# Altium PCB PIXHACK_V3D.PcbDoc (part 2 of 3)
Units mm, origin at the board's own origin, x right, y up, seen from the top; angles counter-clockwise.
Board outline 51.45 x 41 mm, 6 copper layers (Top Layer, GND, POWER1, Signal1, POWER, Bottom Layer), stack 1.296 mm thick; 165 components, 213 nets, 875 pads, 250 vias.
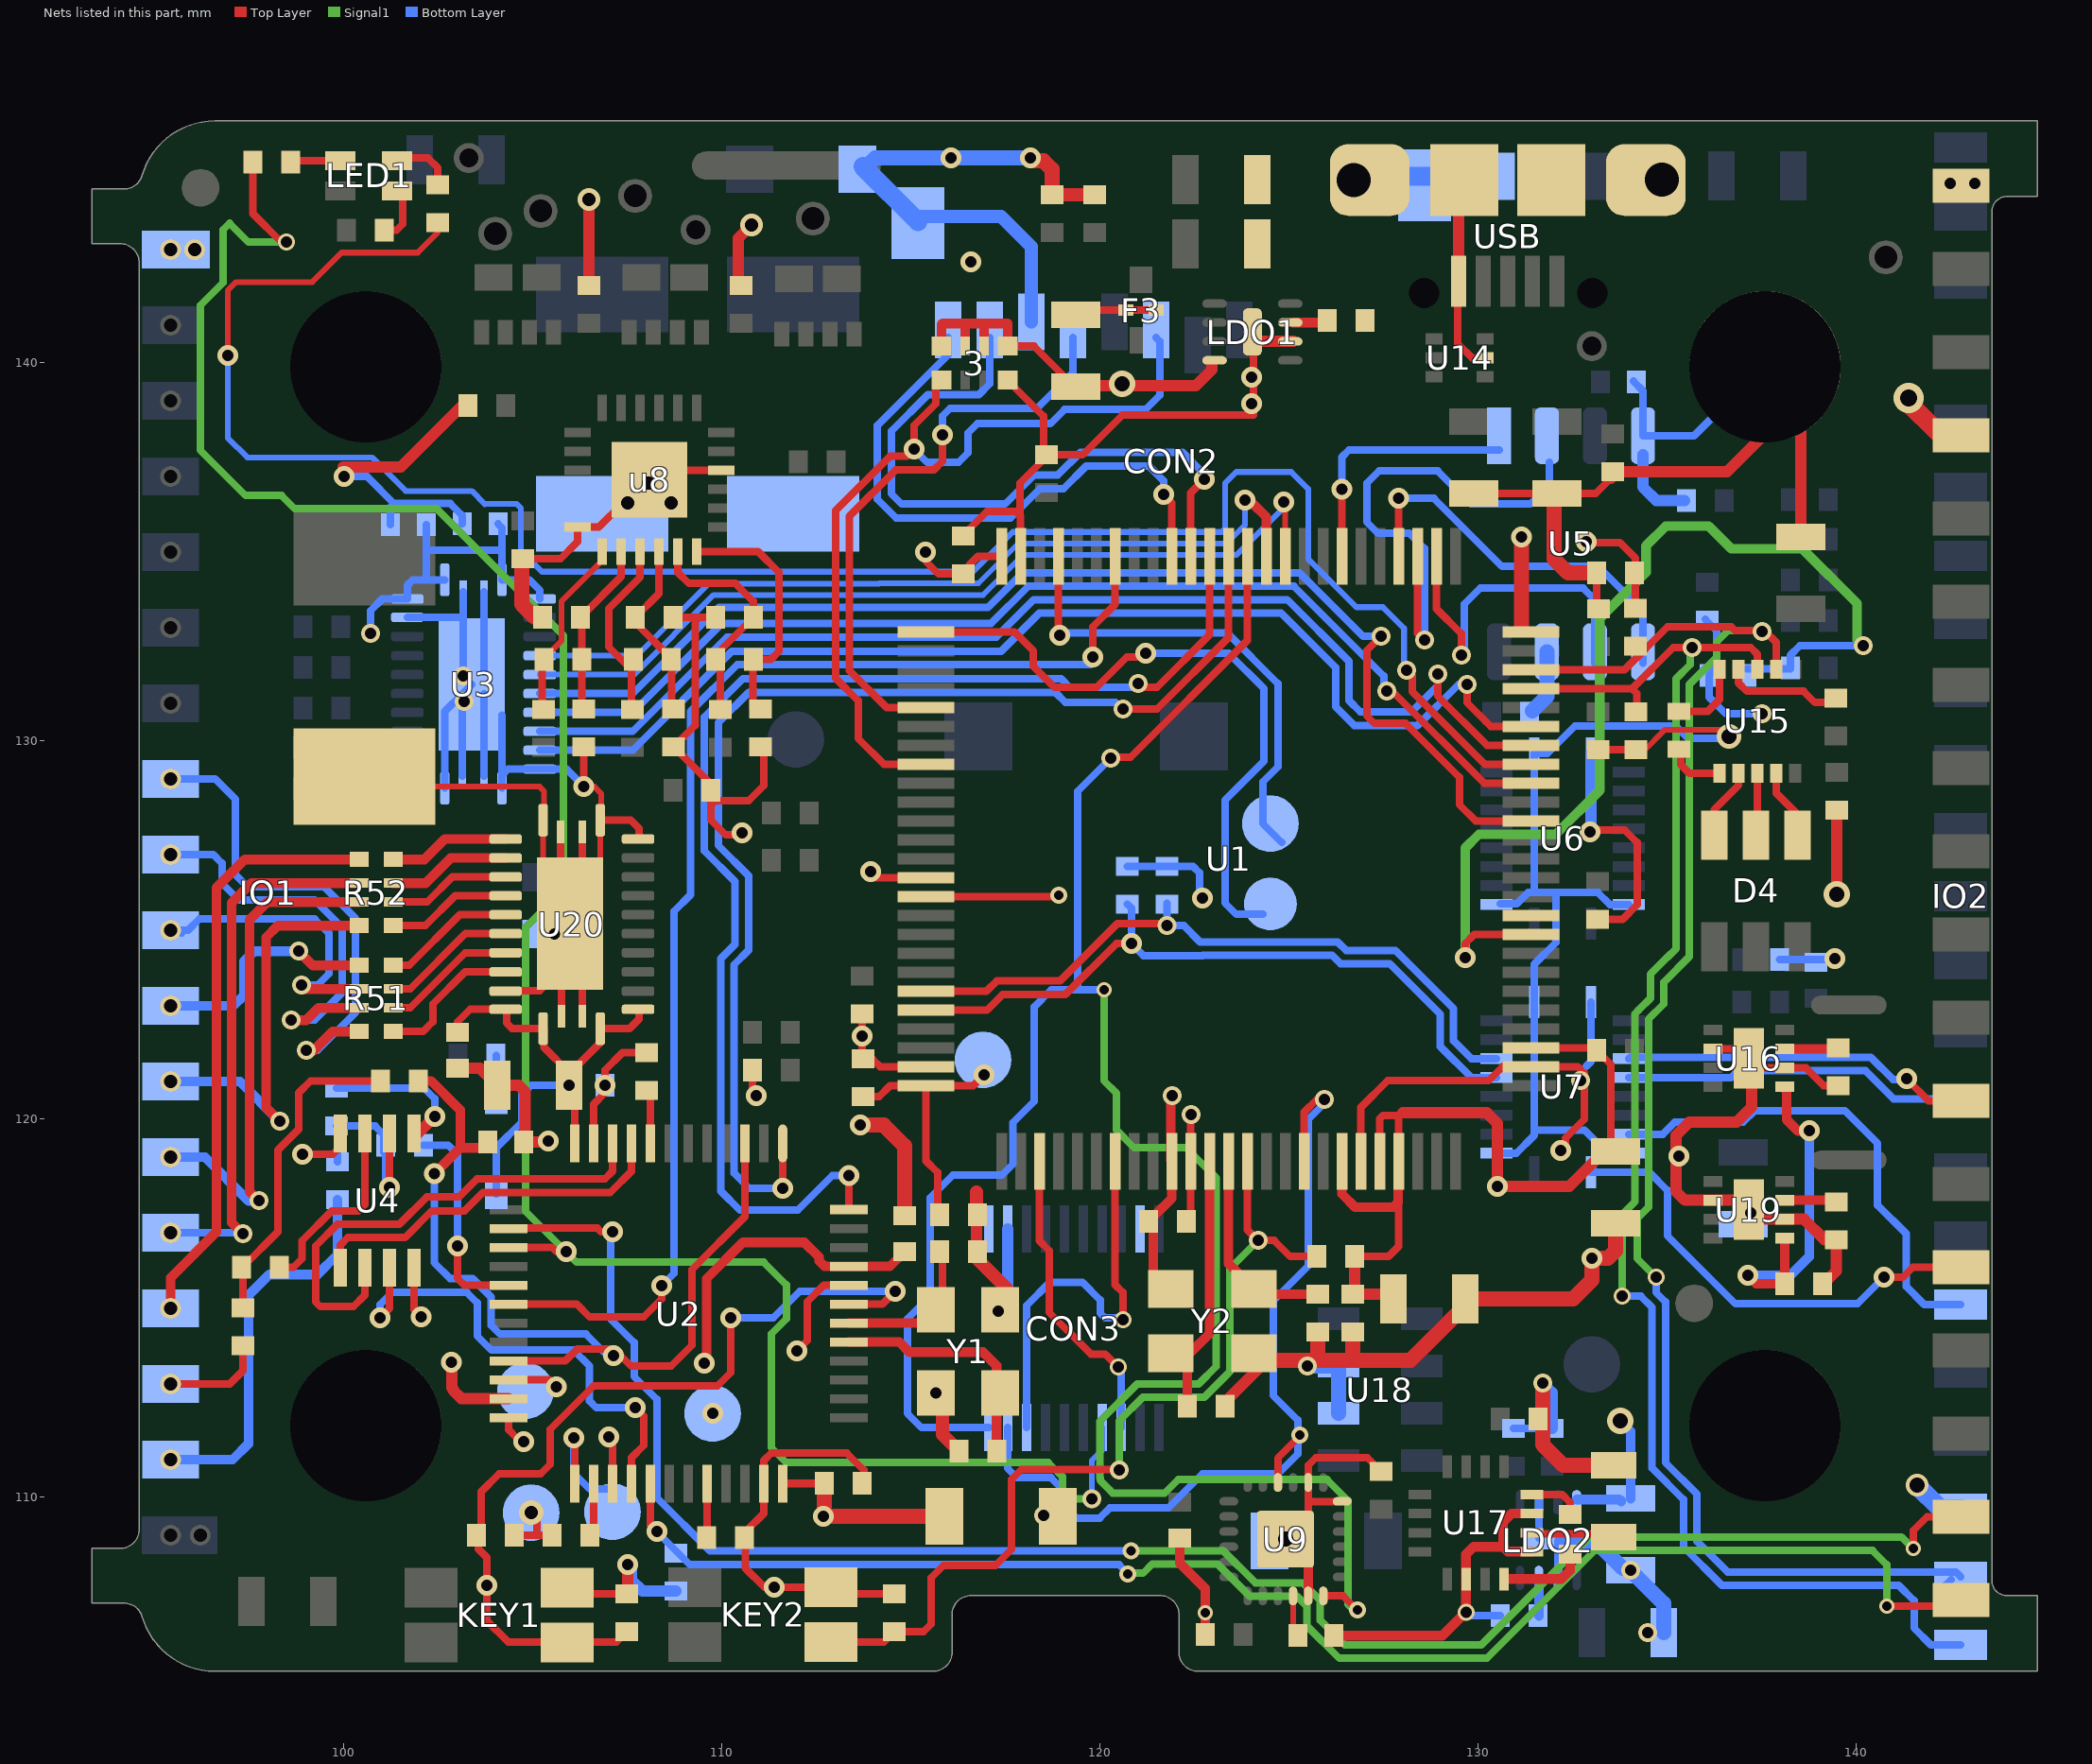
[diagram p6: the nets of this part, all layers, seen from the top]

## Via types
v1: diameter 0.55, hole 0.3, Top Layer to Bottom Layer, 129 vias
v2: diameter 0.5, hole 0.3, Top Layer to Bottom Layer, 50 vias
v3: diameter 0.5, hole 0.3, Top Layer to Bottom Layer, tented both sides, 14 vias
v4: diameter 0.45, hole 0.25, Top Layer to Bottom Layer, tented both sides, 12 vias
v5: diameter 0.45, hole 0.3, Top Layer to Bottom Layer, 9 vias
v6: diameter 0.4, hole 0.25, Top Layer to Bottom Layer, tented both sides, 7 vias
v7: diameter 0.6, hole 0.4, Top Layer to Bottom Layer, 5 vias
v8: diameter 0.6, hole 0.35, Top Layer to Bottom Layer, 5 vias
v9: diameter 0.45, hole 0.3, Top Layer to Bottom Layer, tented both sides, 2 vias
v10: diameter 0.7, hole 0.4, Top Layer to Bottom Layer, 2 vias
v11: diameter 1, hole 0.6, Top Layer to Bottom Layer, 2 vias
v12: diameter 0.5, hole 0.25, Top Layer to Bottom Layer, tented both sides, 2 vias
v13: diameter 0.45, hole 0.25, Top Layer to Bottom Layer, 2 vias
v14: diameter 0.7, hole 0.4, Top Layer to Bottom Layer, tented both sides, 1 vias
v15: diameter 0.6, hole 0.4, Top Layer to Bottom Layer, tented both sides, 1 vias
v16: diameter 0.8, hole 0.5, Top Layer to Bottom Layer, 1 vias
v17: diameter 0.65, hole 0.4, Top Layer to Bottom Layer, 1 vias
v18: diameter 0.8, hole 0.45, Top Layer to Bottom Layer, 1 vias
v19: diameter 0.8, hole 0.4, Top Layer to Bottom Layer, 1 vias
v20: diameter 0.7, hole 0.45, Top Layer to Bottom Layer, 1 vias
v21: diameter 0.65, hole 0.35, Top Layer to Bottom Layer, 1 vias
v22: diameter 0.8, hole 0.45, Top Layer to Bottom Layer, tented both sides, 1 vias

## Nets (pads, with @x,y where several pads share a name; then routed paths per layer and width w, separated by ;. In a path a pad name is that pad's centre, name@x,y a point inside that pad or via, vN(x,y) a via of type N, cw(c..) or ccw(c..) an arc to the next point about the centre after c; other vN are vias at no path point) (continued)
FMU_AMBER_LED: R47.2 U1.43 | length 53.9
  Top Layer w0.154: v1(96.925,140.175) 96.925,141.894 97.15,142.119 99.16,142.119 99.941,142.9 101.95,142.9 102.479,143.429 R47.2@102.479,143.694
  Top Layer w0.2: R47.2@102.425,143.694 R47.2@102.425,143.7 ; v2(128.1,131.85) 128.25,131.7 128.25,131.291 130.174,129.367 U1.43@131.394,129.367
  Bottom Layer w0.154: v1(96.925,140.175) 96.925,138 97.444,137.481 100.744,137.481 101.631,136.594 103.379,136.594 103.723,136.25 103.729,136.256 104.563,136.256 104.675,136.144 104.675,135.025 105.24,134.46 116.635,134.46 117.685,135.51 123.21,135.51 123.3,135.6 123.3,136.8 123.6,137.1 125.05,137.1 125.5,136.65 125.5,134.8 126.775,133.525 127.475,133.525 128.035,132.965 v2@128.035,131.915
  Bottom Layer w0.2: v2@128.035,131.915 v2(128.1,131.85)
FMU_CH1: U1.45 U3.10 | length 30.8
  Top Layer w0.2: v2(129.7,131.475) 129.7,131 130.333,130.367 U1.45@131.394,130.367
  Bottom Layer w0.2: U3.10@105.179,129.736 107.636,129.736 110.253,132.354 117.376,132.354 118.389,133.367 124.784,133.367 126.225,131.926 126.225,130.893 126.723,130.395 128.395,130.395 129.475,131.475 v2(129.7,131.475) v2@129.66,131.515
FMU_CH2: U1.44 U3.9 | length 31.2
  Top Layer w0.2: v2(128.925,131.75) 128.925,131.175 130.233,129.867 U1.44@131.394,129.867
  Bottom Layer w0.2: U3.9@105.179,130.236 107.635,130.236 110.135,132.736 117.257,132.736 118.242,133.721 124.947,133.721 126.579,132.089 126.579,131.055 126.874,130.76 128.244,130.76 128.925,131.441 v2(128.925,131.75)
FMU_CH3: U1.42 U3.8 | length 30
  Top Layer w0.2: v2(127.575,131.3) 127.725,131.3 130.158,128.867 U1.42@131.394,128.867
  Bottom Layer w0.2: U3.8@105.179,130.736 107.634,130.736 109.988,133.09 117.111,133.09 118.096,134.075 125.125,134.075 127.5,131.7 127.5,131.3 v2(127.575,131.3)
FMU_CH4: U1.40 U3.7 | length 32.4
  Top Layer w0.2: v2(127.425,132.75) 127.05,132.375 127.05,130.65 127.25,130.45 128.074,130.45 129.5,129.025 129.5,128.3 129.933,127.867 U1.40@131.394,127.867
  Bottom Layer w0.2: U3.7@105.179,131.236 107.634,131.236 109.912,133.515 117.035,133.515 117.949,134.429 125.272,134.429 126.951,132.75 v2(127.425,132.75)
FMU_CH5: U1.60 U3.6 | length 23
  Top Layer w0.15: v1(124.85,136.3) 124.894,136.256 U1.60@124.894,134.867
  Bottom Layer w0.15: U3.6@105.179,131.736 107.668,131.736 109.776,133.844 116.899,133.844 116.905,133.85 117.955,134.9 123.6,134.9 v1@124.9,136.2
FMU_CH6: U1.61 U3.5 | length 22.5
  Top Layer w0.254: v1@123.8,136.3 124,136.3 124.394,135.906 U1.61@124.394,134.867
  Bottom Layer w0.15: U3.5@105.179,132.24 107.742,132.24 109.65,134.148 114.15,134.148 ; 114.15,134.154 116.779,134.154 117.829,135.204 123.337,135.204 123.825,135.692 v1(123.825,136.35)
FMU_RESET: C28.2 KEY2.A4 R34.1 U1.14 | length 23.8
  Top Layer w0.2: KEY2.A4@112.885,106.16 114.285,106.16 C28.2@114.55,106.425 115.325,106.425 115.525,106.625 115.525,107.85 115.85,108.175 117.225,108.175 117.65,108.6 117.65,110.45 117.921,110.721 120.479,110.721 v2(120.5,110.7) ; U1.14@123.894,118.867 123.894,117.056 v2(124.175,116.775) 124.6,116.775 125.025,116.35 R34.1@125.729,116.35
  Signal1 w0.2: v2@120.5,110.667 120.5,112 121.129,112.629 122.753,112.629 123.378,113.254 ; 123.379,113.254 123.425,113.3 123.425,116.025 v2(124.175,116.775)
FMU_RX: U1.64 U2.12 | length 34.4
  Top Layer w0.2: U2.12@113.354,117.591 v1(113.354,118.496) ; v2@121.1,131.4 121.5,131.4 122.894,132.794 U1.64@122.894,134.867
  Bottom Layer w0.2: v1(113.354,118.496) 112.921,118.496 112,117.575 110.475,117.575 109.967,118.083 109.967,124.233 110.34,124.606 110.34,126.269 109.535,127.074 109.535,130.619 110.551,131.635 118.965,131.635 119.2,131.4 v2@120.9,131.4 ; v2@120.85,131.5 v2(121,131.5)
FMU_SWCLK: pad.1@124.5,125.675 U1.76 | length 17.7
  Top Layer w0.2: U1.76@115.394,132.867 117.734,132.867 118.229,132.372 118.229,131.962 118.791,131.4 119.9,131.4 120.7,132.2 v1@121.2,132.2
  Bottom Layer w0.2: v1(121.2,132.3) 123.399,132.3 124.335,131.364 124.335,129.451 123.3,128.416 123.3,125.7 123.6,125.4 pad.1@124.3,125.4
FMU_SWDIO: pad.1@124.5,127.8 U1.72 | length 13
  Top Layer w0.2: U1.72@118.894,134.867 118.894,132.806 v1(118.925,132.775)
  Bottom Layer w0.2: v1(118.925,132.775) 118.99,132.84 123.36,132.84 124.7,131.5 124.7,129.3 124.3,128.9 124.3,127.8 pad.1@124.8,127.3
FMU_SWO: U1.89 | length 1.3
  Top Layer w0.2: v1@114.083,126.367 U1.89@115.394,126.367
  other v1: 113.925,126.525
FMU_TX: U1.63 U2.13 | length 32
  Top Layer w0.2: v1(111.604,118.15) U2.13@111.604,119.341 ; v2(120.6,130.825) 121.5,130.825 123.394,132.719 U1.63@123.394,134.867
  Bottom Layer w0.2: v1(111.604,118.15) 110.725,118.15 110.321,118.554 110.321,124.071 110.705,124.455 110.705,126.42 109.9,127.225 109.9,130.468 110.702,131.27 118.814,131.27 119.084,131 120.4,131 v2@120.6,130.8
"FRAM_ MOSI": U1.54 U5.5 | length 10.6
  Top Layer w0.2: U1.54@127.894,134.867 v1(127.894,136.4)
  Bottom Layer w0.2: v1@127.925,136.4 128.825,136.4 130.625,134.6 133.175,134.6 134.355,133.42 U5.5@134.355,132.343 U5.5@134.355,132.042
FRAM_CS: U1.57 U5.1 | length 6.9
  Top Layer w0.2: U1.57@126.394,134.867 v1(126.394,136.644)
  Bottom Layer w0.2: v1(126.394,136.644) 126.394,137.494 126.575,137.675 U5.1@130.55,137.675
FRAM_MISO: U1.53 U5.2 | length 13.7
  Top Layer w0.2: U1.53@128.394,134.867 128.394,132.831 v2(128.575,132.65)
  Bottom Layer w0.2: v2(128.575,132.65) 128.575,135.075 128.175,135.475 127.35,135.475 127.05,135.775 127.05,136.8 127.375,137.125 128.925,137.125 129.8,136.25 131.375,136.25 131.875,136.75 U5.2@131.875,137.35
FRAM_SCK: U1.52 U5.6 | length 9.7
  Top Layer w0.2: U1.52@128.894,134.867 128.894,133.481 129.55,132.825 v2(129.55,132.25)
  Bottom Layer w0.2: v2@129.625,132.2 129.625,133.6 130.05,134.025 132.775,134.025 133.085,133.715 U5.6@133.085,132.343 U5.6@133.085,132.042
"FUTURE USE": U1.90 | length 3.6
  Top Layer w0.2: U1.90@115.394,125.867 118.933,125.867 v13(118.9,125.9)
GND: 3.8 BAT1.1 C1.2 C2.2 C3.2 C4.2 C5.1 C6.1 C7.2 C8.1 C9.1 C10.1 C11.C C12.C C13.C C14.1 C15.1 C16.1 C17.1 C18.1 C19.1 C20.1 C21.1 C22.1 C23.2 C24.1 C25.1 C26.1 C27.1 C28.1 C29.1 C30.1 C31.1 C32.2 C33.2 C34.2 C35.1 C36.1 C37.1 C38.1 C39.1 C40.1 C41.1 C42.1 C43.2 C44.2 C45.2 C46.2 C47.2 C48.1 C49.1 C50.2 C52.2 C53.2 C54.2 C55.2 C56.1 C57.1 C58.1 C59.1 C60.1 C61.1 C62.1 CON2.6 CON2.NC CON3.2 CON3.9 CON3.10 D2.1 D3.1 ESD2.2 F3.0 IO1.18 IO2.15 IO2.18 IO2.21 KEY1.A2 KEY2.A2 LDO1.2 LDO2.2 LDO2.6 pad.1@109.75,112.2 pad.2@137.584,139.883 pad.18@95.415,142.979 pad.18@96.05,142.975 R8.1 R9.1 R12.1 R14.1 R15.2 R16.2 R18.1 R19.1 R20.2 R22.1 R24.1 R28.1 R33.2 R36.1 R37.1 R42.1 R44.1 R61.1 U1.10 U1.20 U1.27 U1.74 U1.99 U2.8 U2.23 U2.35 U2.47 U3.11 U3.12 U3.13 U3.22 U4.1 U4.4 U5.4 U6.11 U7.11 u8.10 u8.24 U9.11 U9.18 U9.20 U14.2 U15.5 U16.2 U16.6 U17.6 U17.9 U17.11 U18.2 U18.3 U19.2 U19.6 U20.11 U20.12 U20.13 U20.22 USB.5 Y1.2 Y1.4 Y2.2 Y2.4 | length 281.5
  Top Layer w0.15: C5.1@118.65,144.4 118.675,144.425 C5.1@118.725,144.425
  Top Layer w0.154: C13.C@101.125,128.779 105.171,128.779 105.292,128.658 U20.13@105.292,127.889 ; U20.22@105.267,125.858 U20.13@105.267,127.889 ; v1(106.346,128.779) 106.621,128.779 106.804,128.596 U20.12@106.804,127.889 ; U20.22@106.779,125.954 U20.12@106.779,127.889
  Top Layer w0.2: v1(98.9,119.05) 99.7,119.05 99.907,119.257 U4.4@99.907,119.601 ; C13.C@100.541,129.036 C13.C@100.648,128.929 ; U20.22@104.276,123.369 104.282,123.375 105.175,123.375 U20.22@105.75,123.95 ; C18.1@104.725,134.8 105.725,134.8 106.182,135.257 u8.24@106.182,135.644 106.744,135.644 u8.10@107.375,136.275 ; U20.22@105.725,125.4 U20.22@105.725,127.575 ; U20.22@105.75,122.7 U20.22@105.75,123.95 ; U20.22@105.75,124.925 U20.22@105.75,123.95 ; U20.22@105.975,125.15 105.975,124.175 U20.22@105.75,123.95 ; KEY1.A2@106.069,107.425 C24.1@107.475,107.425 ; U20.22@106.3,122.7 U20.22@106.3,124.825 ; U20.22@106.3,125.475 U20.22@106.3,127.575 ; v1@106.346,128.929 R18.1@106.346,129.831 ; U2.23@106.604,119.341 106.604,120.379 106.9,120.675 v1(106.9,120.875) 106.9,121.275 107.369,121.744 R12.1@108.004,121.744 ; U20.12@106.804,127.889 106.811,127.896 107.579,127.896 107.804,127.671 U20.11@107.804,127.389 ; u8.10@108.406,137.144 u8.10@109.983,137.144 ; C2.2@108.7,133.25 C33.2@109.825,133.25 ; 109.286,133.25 109.286,130.396 R8.1@108.721,129.831 109.7,128.852 C21.1@109.7,128.675 109.7,128.275 ; v1@110.525,127.5 110.1,127.5 109.7,127.9 109.7,128.275 ; v1@110.806,120.681 R28.1@110.806,121.279 ; R19.1@110.894,129.831 R19.1@111.021,129.831 111.1,129.752 111.1,128.8 110.7,128.4 109.825,128.4 109.7,128.275 ; v1@112,113.875 112.25,114.125 112.25,115.15 112.691,115.591 U2.8@113.354,115.591 ; KEY2.A2@112.885,107.61 111.115,107.61 110.619,108.106 110.619,109.071 111.104,109.556 U2.47@111.104,110.341 111.104,110.954 111.3,111.15 113.3,111.15 113.75,110.7 C39.1@113.75,110.35 ; KEY2.A2@113.069,107.425 C28.1@114.55,107.425 ; R33.2@113.704,122.769 113.704,121.596 C36.1@113.725,121.575 113.975,121.575 114.183,121.367 U1.99@115.394,121.367 ; C9.1@116.55,135.6 117.01,136.06 117.765,136.06 117.894,135.931 ; 3.8@117.55,139.525 118.5,138.575 118.5,137.625 C26.1@118.575,137.55 119.534,137.55 120.584,138.6 124.05,138.6 LDO1.2@124.05,140.775 ; U1.74@117.894,134.867 117.894,135.931 ; C26.1@118.437,137.362 117.875,136.8 117.875,135.95 117.894,135.931 ; C15.1@119.3,141.4 119.322,141.378 F3.0@120.683,141.378 F3.0@121.483,141.378 ; U9.20@125.5,109.475 125.5,109.925 ; U9.18@126.4,109.875 126.4,109.871 125.554,109.871 125.5,109.925 ; U1.20@126.894,118.867 126.894,120.294 127.6,121 130.273,121 130.648,121.375 U1.27@131.35,121.375 ; R61.1@127.429,110.669 127.073,111.025 125.7,111.025 125.5,110.825 U9.20@125.5,110.375 125.5,109.925 ; USB.5@129.45,141.775 129.45,140.5 129.834,140.116 U14.2@130.185,140.116 ; C30.1@129.875,136.525 C31.1@131.9,136.525 ; U1.27@131.394,121.367 132.633,121.367 132.8,121.2 132.8,119.975 132.3,119.475 v1@132.3,119.2 ; C31.1@131.9,136.625 C31.1@131.9,136.525 ; C31.1@132,136.425 C31.1@131.9,136.525 ; v1@132.925,127.625 133.875,127.625 134.2,127.3 134.2,125.65 133.819,125.269 R20.2@133.154,125.269 ; C42.1@133.125,134.425 133.125,133.575 C25.1@133.2,133.5 ; C22.1@133.55,136.975 133.5,136.925 133.1,136.525 C31.1@132.075,136.525 C31.1@131.9,136.525 ; R14.1@135.304,130.769 136.069,130.769 136.381,131.081 U15.5@136.381,131.881 ; U16.2@136.202,121.839 U16.2@136.902,121.839 ; U16.2@137.402,121.339 U16.6@138.102,121.339 138.661,121.339 139.127,120.873 R9.1@139.512,120.873
  Top Layer w0.254: Y2.2@121.861,115.495 121.4,115.956 121.4,117.4 121.894,117.894 U1.10@121.894,118.867 121.869,118.892 121.869,120.512 121.9,120.543 v2(121.9,120.6) ; C43.2@122.1,108.9 122.1,108.25 122.775,107.575 C46.2@122.775,106.35 ; U9.11@125.5,107.375 U9.20@125.5,108.275 ; C35.1@126.175,106.325 129.05,106.325 v5(129.673,106.948) U17.6@129.673,107.822 129.673,108.473 129.875,108.675 130.65,108.675 ; U17.9@131.418,108.547 130.778,108.547 130.65,108.675 ; U17.11@131.418,109.551 130.876,109.551 130.65,109.325 130.65,108.675
  Top Layer w0.3: v1@99.975,137.225 101.5,137.225 C3.2@103.15,138.875 ; U4.1@101.857,119.601 101.951,119.601 v1(102.4,120.05) ; v1@102.85,113.55 102.85,112.875 102.888,112.837 102.888,112.812 103.109,112.591 U2.35@104.354,112.591 ; C60.1@103,121.325 103.6,121.325 C48.1@104.05,120.875 104.625,120.875 104.794,120.706 C61.1@104.794,119.375 ; C61.1@104.75,119.375 C61.1@104.794,119.375 ; v1@105.375,119.375 C61.1@104.794,119.375 ; C32.2@106.475,142.025 v8(106.475,144.3) ; C24.1@107.5,107.525 v1(107.5,108.2) ; C34.2@110.425,142.025 110.425,143.275 v8(110.775,143.625) ; C8.1@116.725,116.3 C37.1@116.725,117.375 ; C27.1@123.301,112.501 124.275,113.475 Y2.4@124.275,113.69 ; LDO1.2@124.025,140.8 124.1,140.55 LDO1.2@125.1,140.55 ; USB.5@129.479,142.147 USB.5@129.479,144.329 ; C22.1@133.425,137 C22.1@133.5,136.925 ; C22.1@133.55,137.1 136.575,137.1 137.725,138.25 pad.2@137.725,139.825 ; U19.6@136.902,117.838 U19.2@136.202,117.838 135.462,117.838 135.225,118.075 135.225,119.55 135.575,119.9 136.825,119.9 137.225,120.3 U16.2@137.225,121.625 ; pad.2@137.275,140.05 pad.2@137.3,140.075 ; U19.6@137.402,117.338 U19.6@138.102,117.338 138.612,117.338 139.153,116.797 R16.2@139.47,116.797 139.47,115.97 R15.2@139.1,115.6 ; pad.2@137.584,139.883 138.525,139.475 C17.1@138.525,135.375 C17.1@138.656,135.506 ; v10@139.475,125.95 C29.1@139.475,128.15 ; IO2.15@142.228,138.072 IO2.15@142.767,138.072
  Top Layer w0.35: Y1.4@115.825,112.738 115.825,111.64 C4.2@116.261,111.204 ; C8.1@116.725,116.3 117.525,115.5 Y1.2@117.525,114.938 ; C37.1@116.725,117.375 116.725,118.05 ; C5.1@118.725,144.425 C19.1@119.85,144.425
  Top Layer w0.4: C18.1@104.7,134.8 104.7,133.6 105.05,133.25 C1.2@105.25,133.25 ; v1(113.65,119.825) 114.275,119.825 114.825,119.275 C58.1@114.825,117.425 ; v1@118.175,145.325 118.5,145.325 118.725,145.1 C5.1@118.725,144.425 ; Y2.4@124.061,113.795 124.256,113.6 128.2,113.6 C49.1@129.6,115 ; 125.75,113.6 C23.2@125.75,114.35 ; 126.675,113.6 C6.1@126.675,114.35 ; C49.1@129.65,115.225 132.5,115.225 133,115.725 v1(133,116.3) 133.425,116.3 133.625,116.5 C14.1@133.625,117.225 ; v2(131.7,113) 131.7,111.375 132.25,110.825 C52.2@133.575,110.825 ; C31.1@132,136.425 132,134.8 132.375,134.425 C42.1@133.125,134.425
  Top Layer w0.5: KEY2.A2@112.885,107.61 KEY2.A2@113.069,107.425 ; v18@141.3,139 IO2.15@142.228,138.072
  Bottom Layer w0.2: ESD2.2@99.8,120.8 102.125,120.8 102.4,120.525 v1(102.4,120.05) ; v1(100,136.975) 100.613,136.975 101.325,136.263 ; C54.2@101.225,135.7 101.225,136.163 101.325,136.263 ; U3.22@101.676,133.256 103.106,133.256 103.15,133.3 ; U3.13@102.667,128.736 102.667,130.767 U3.22@103.125,131.225 ; U3.22@103.125,129.05 U3.22@103.125,131.225 ; C62.1@103.125,135.725 103.125,135.95 102.812,136.263 101.325,136.263 ; v3(103.15,131.7) 103.15,133.3 ; U3.22@103.15,133.925 103.15,133.3 ; U3.22@103.375,131.475 U3.22@103.125,131.225 ; U3.22@103.7,129.05 U3.22@103.7,131.225 ; U3.22@103.7,131.8 U3.22@103.7,133.925 ; U3.12@104.179,128.736 U3.12@104.179,129.079 ; U3.22@104.179,130.671 U3.12@104.179,129.079 ; v1(106.346,128.779) 105.889,129.236 U3.11@105.179,129.236 104.336,129.236 U3.12@104.179,129.079 ; CON2.NC@115.185,143.682 CON2.NC@115.185,143.715 ; v5(129.673,106.948) 129.771,106.85 C44.2@130.575,106.85 ; C47.2@130.925,111.8 C53.2@131.95,111.8 ; LDO2.2@131.6,108.9 LDO2.6@131.6,109.85 LDO2.6@131.6,109.925 ; LDO2.2@132.1,107.775 LDO2.2@132.1,108.775 ; v2(132.7,121) 132.7,121.225 132.978,121.503 U7.11@132.978,123.085 ; C20.1@134.1,139.5 134.355,139.245 U5.4@134.355,138.058 135.708,138.058 pad.2@136.675,139.025 ; R24.1@136,133.2 136.3,132.9 136.3,131.915 R44.1@136.106,131.721 136.106,131.144 136.55,130.7 v2(137.5,130.7) ; R22.1@137.969,124.204 139.304,124.204 v1@139.375,124.275
  Bottom Layer w0.254: 126.775,144.825 cw(c126.868,144.825) 126.868,144.918
  Bottom Layer w0.3: v1@107.6,108.1 107.6,107.8 107.894,107.506 R42.1@108.779,107.506 ; v1(117.3,114.9) 117.55,115.15 CON3.9@117.55,117.075 ; v2(131.7,113) 131.95,112.75 C53.2@131.95,111.8 ; v1@132.95,127.6 132.978,127.628 U6.11@132.978,129.66 ; U5.4@134.35,137.55 134.35,136.7 134.704,136.346 R36.1@135.456,136.346
  Bottom Layer w0.35: CON2.NC@115.25,143.85 117.375,143.85 118.175,143.05 CON2.6@118.175,141.072
  Bottom Layer w0.4: D3.1@113.875,145.225 114.05,145.4 v1(116.05,145.4) v1(118.15,145.4) ; v3(125.475,113.45) U18.3@126.3,113.45 U18.2@126.3,112.2 ; LDO2.2@132.2,108.8 133.125,108.8 C41.1@133.825,108.1 ; v2(134.025,108.05) 134.9,107.175 C57.1@134.9,106.4
  Bottom Layer w0.5: D3.1@113.725,145.175 CON2.NC@115.185,143.715 ; 126.868,144.918 D2.1@130.173,144.918 ; v7(141.6,110.3) 142.217,109.683 IO2.21@142.759,109.683
  other v1: 111.375,107.6 109.75,112.2 115.65,112.738 102.846,113.554 111.975,113.85 137.2,117.5 135.3,119 132.175,119.15 105.4,119.4 110.9,120.6 113.7,122.175 139.425,124.225 110.529,127.55 132.95,127.575 124,138.9 124,139.6 116.575,142.65 142.475,144.725 143.125,144.725
  other v2: 134.475,106.4 118.5,109.5
  other v3: 103.175,131.025
  other v6: 122.775,106.925
  other v8: 107.5,136.275 108.65,136.275 108.05,136.8
  other v9: 105.57,124.874
  other v10: 139.475,125.925
  other v15: 124.9,108.875
  other v18: 141.375,139.05
GPS1_RX: IO2.24 U7.18 | length 12.9
  Bottom Layer w0.2: U7.18@133.978,119.585 134.879,119.585 135.194,119.9 137,119.9 137.304,120.204 139.696,120.204 140.56,119.34 140.56,117.706 141.315,116.951 141.315,115.56 141.792,115.083 IO2.24@142.759,115.083
GPS1_TX: IO2.5 U7.20 | length 12.3
  Top Layer w0.2: v1(140.725,115.8) 141.225,115.8 141.497,116.072 IO2.5@142.767,116.072
  Bottom Layer w0.2: U7.20@132.978,118.585 134.515,118.585 135,118.1 135,116.9 136.8,115.1 140.025,115.1 v1(140.725,115.8)
GYRO_DRDY: U1.35
GYRO_EXT_CS: CON3.13 U1.7 | length 10.9
  Top Layer w0.2: U1.7@120.394,118.867 120.394,115.606 120.6,115.4 v5(120.6,114.675)
  Bottom Layer w0.2: CON3.13@118.05,111.825 118.05,115.05 118.665,115.665 119.534,115.665 120,115.199 120,114.85 120.121,114.729 120.546,114.729 v5(120.6,114.675)
I2C1_SCL: R31.2 U1.95 U7.7 | length 18.4
  Top Layer w0.2: U1.95@115.394,123.367 116.993,123.367 117.271,123.645 118.945,123.645 120.454,125.154 121.717,125.154 v2(121.771,125.1)
  Bottom Layer w0.2: R31.2@121.771,125.694 R31.2@121.771,125.669 v2(121.771,125.1) 122.213,125.1 122.643,124.67 126.281,124.67 126.505,124.446 127.805,124.446 129.346,122.905 129.346,122.054 129.815,121.585 U7.7@130.478,121.585
I2C1_SDA: R29.2 U1.96 U7.6 | length 18.9
  Top Layer w0.2: U1.96@115.394,122.867 117.01,122.867 117.423,123.28 119.081,123.28 120.426,124.625 v1(120.825,124.625)
  Bottom Layer w0.2: R29.2@120.721,125.669 120.825,125.565 v1(120.825,124.625) 121.146,124.304 122.701,124.304 122.713,124.316 126.135,124.316 126.359,124.092 127.659,124.092 128.992,122.759 128.992,121.907 129.814,121.085 U7.6@130.478,121.085
I2C2_SCL: IO2.19 R30.2 U1.47 U15.3 | length 41.8
  Top Layer w0.2: U1.47@131.394,131.367 134.067,131.367 ; R30.2@134.196,130.781 134.196,131.238 134.067,131.367 ; U15.3@137.381,131.881 137.381,132.278 137.199,132.46 135.16,132.46 134.067,131.367
  Signal1 w0.2: v5(133.8,115.3) 133.8,117.456 134.146,117.802 134.146,122.773 134.233,122.86 134.233,122.871 134.244,122.871 134.554,123.181 134.554,123.619 134.55,123.623 134.55,123.817 134.985,124.252 134.991,124.252 135.226,124.487 135.226,131.626 135.6,132 v2@135.6,132.4
  Bottom Layer w0.2: v5(133.8,115.3) 134.3,115.3 134.596,115.004 134.596,110.754 135.425,109.925 135.425,108.675 136.443,107.657 141.118,107.657 141.525,107.25 141.525,106.525 141.967,106.083 IO2.19@142.759,106.083
  other v2: 135.65,132.45
I2C2_SDA: IO2.20 R25.2 U1.48 U15.2 | length 42.1
  Top Layer w0.2: U1.48@131.394,131.867 133.867,131.867 135,133 136.692,133 136.792,132.9 137.575,132.9 137.881,132.594 U15.2@137.881,131.881
  Signal1 w0.2: v5(134.7,115.8) 134.2,116.3 134.2,117.355 134.5,117.655 134.5,122.626 134.908,123.034 134.908,123.608 135.58,124.28 135.58,131.479 136.3,132.199 136.3,132.6 136.6,132.9 v2@137.5,132.9
  Bottom Layer w0.2: v5(134.7,115.8) 134.7,115.401 134.95,115.151 134.95,110.901 135.779,110.072 135.779,108.822 136.59,108.011 142.631,108.011 IO2.20@142.759,107.883 ; IO2.20@142.279,107.579 IO2.20@142.5,107.8
  other v2: 137.5,132.875
I2C_SCL: IO2.7 U7.14 | length 9.4
  Top Layer w0.2: v1(141.325,121.05) 141.903,120.472 IO2.7@142.767,120.472
  Bottom Layer w0.2: U7.14@133.978,121.585 134.012,121.62 140.383,121.62 140.968,121.035 v1@141.325,121.035 ; v1@141.325,120.975 v1(141.325,121.05)
I2C_SDA: IO2.27 U7.15 | length 9
  Bottom Layer w0.2: U7.15@133.978,121.085 136.683,121.085 136.864,121.266 140.236,121.266 140.981,120.521 142.521,120.521 IO2.27@142.6,120.6
IMU_TEMP_CON: CON3.17 R41.2 U2.27 | length 62.8
  Top Layer w0.2: R41.2@97.594,145.296 97.594,143.931 98.35,143.175 v9(98.475,143.175) ; U2.27@104.354,116.591 105.509,116.591 105.625,116.475 v1(105.875,116.475)
  Signal1 w0.2: v9(98.475,143.175) 97.475,143.175 96.975,143.675 96.8,143.5 96.8,142.1 96.2,141.5 96.2,137.675 97.4,136.475 98.35,136.475 98.7,136.125 102.451,136.125 105.802,132.773 105.802,126.052 104.8,125.049 104.8,117.55 v1(105.875,116.475) 106.15,116.2 111.1,116.2 111.7,115.6 111.7,114.7 111.3,114.3 111.3,111.3 111.7,110.9 118.625,110.9 119,110.525 119,110.2 119.262,109.938 v3(119.779,109.938)
  Bottom Layer w0.15: v3(119.779,109.938) 119.779,110.956 120.05,111.227 CON3.17@120.05,111.825
IO-3V3: C10.2 C39.2 C41.2 C48.2 C54.1 C55.1 C58.2 C60.2 C62.2 d5.1 LDO2.8 pad.1@104.95,109.575 R7.2 R46.1 U2.9 U2.24 U2.36 U2.48 U3.1 U3.2 U3.23 U3.24 U4.8 U20.1 U20.2 U20.23 U20.24 | length 45.8
  Top Layer w0.2: U4.8@101.857,116.051 101.857,114.943 v1(102.046,114.754) ; C60.2@103,122.275 103,122.55 103.336,122.886 104.301,122.886 104.301,122.524 104.447,122.378 105.292,122.378 105.292,121.883 105.95,121.224 v1(105.95,120.875) 106.1,120.875 C48.2@106.104,120.879 ; U2.36@104.354,112.091 104.354,111.771 v1@104.575,111.55 ; R7.2@104.606,108.979 105.1,108.979 ; v21@105.1,109.7 105.1,108.979 ; R46.1@105.6,109 105.579,108.979 105.1,108.979 ; U2.24@106.104,119.341 C48.2@106.104,120.879 ; U20.2@107.804,122.886 107.804,122.629 107.553,122.378 106.804,122.378 106.804,122.029 106.104,121.329 C48.2@106.104,120.879 ; U2.48@111.6,110.35 C39.2@112.7,110.35 v1@112.7,109.475 ; U2.48@111.604,110.341 C39.2@112.7,110.341
  Top Layer w0.254: v1@109.592,113.667 109.592,115.767 110.55,116.725 112.177,116.725 112.567,116.335 112.567,116.233 112.709,116.091 U2.9@113.354,116.091 114.441,116.091 C58.2@114.825,116.475
  Top Layer w0.4: C39.2@112.7,110.341 112.7,109.475 C55.1@115.875,109.475
  Bottom Layer w0.2: v3(100.7,132.825) 100.7,133.425 101.014,133.739 U3.23@101.676,133.739 101.676,134.101 101.822,134.247 102.15,134.247 ; C54.1@102.175,135.7 102.175,135.025 ; U3.24@102.667,134.247 102.15,134.247 ; d5.1@104.033,118.011 104.033,119.233 104.7,119.9 104.7,120.625 104.95,120.875 C10.2@105.9,120.875 ; C62.2@104.075,135.725 104.179,135.621 104.179,135 ; U3.2@105.179,133.739 105.179,133.971 104.903,134.247 U3.1@104.179,134.247 104.179,135 ; 102.15,134.247 102.175,134.272 102.175,135.025 ; 102.175,135.025 104.154,135.025 104.179,135
  Bottom Layer w0.254: LDO2.8@132.6,109.925 133.725,109.925 133.775,109.875 C41.2@133.775,109.9 ; v14(133.75,112) 134.025,111.725 C41.2@134.025,109.95
  other v1: 112.675,109.475 104.75,111.45 109.525,113.525
  other v21: 104.95,109.575
IO-BOOT0: R37.2 U2.44 | length 1.2
  Top Layer w0.2: R37.2@109.604,109.111 U2.44@109.604,110.341
IO-BOOT1: R12.2 U2.20 | length 1.3
  Top Layer w0.2: U2.20@108.104,119.341 R12.2@108.104,120.644
IO-OSC_IN: C8.2 U2.6 Y1.3 | length 4.1
  Top Layer w0.2: Y1.3@115.825,114.938 C8.2@115.825,116.411
  Top Layer w0.254: U2.6@113.354,114.591 Y1.3@116.003,114.591
IO-OSC_OUT: C4.1 U2.5 Y1.1 | length 6.6
  Top Layer w0.254: U2.5@113.354,114.091 114.684,114.091 114.95,113.825 116.9,113.825 117.261,113.464 Y1.1@117.261,112.649 ; C4.1@117.261,111.204 Y1.1@117.261,112.649 ; Y1.1@117.35,112.738 Y1.1@117.261,112.649
IO-SWCLK: pad.1@107.1,109.6 U2.37 | length 3.2
  Top Layer w0.2: U2.37@106.104,110.341 v1@106.104,111.521
  Bottom Layer w0.2: v1(106.075,111.55) 106.075,110.625 106.5,110.2 pad.1@107,110.2
IO_RESET: C24.2 KEY1.A4 R7.1 U2.7 | length 23.4
  Top Layer w0.2: R7.1@103.556,109.054 103.556,108.619 103.781,108.394 v1(103.781,107.65) 103.781,106.719 104.34,106.16 107.21,106.16 C24.2@107.475,106.425 ; R7.1@103.631,109.054 103.631,110.131 104.1,110.6 105.2,110.6 105.45,110.85 105.45,111.775 106.6,112.925 109.875,112.925 110.225,113.275 v1(110.225,114.725) ; U2.7@113.354,115.091 114.241,115.091 v1(114.575,115.425)
  Bottom Layer w0.2: v1(110.225,114.725) 111.35,114.725 112.05,115.425 v1(114.575,115.425)
IO_SWDIO: pad.1@104.8,112.8 U2.34 | length 1.4
  Top Layer w0.2: U2.34@104.354,113.091 105.434,113.091 v1@105.65,112.875
  other v1: 105.621,112.904
IO_SWO: U2.39 | length 1.2
  Top Layer w0.2: v1@107.1,111.575 107.104,111.571 U2.39@107.104,110.341
  other v1: 107,111.575
IO_USART1_TX: U1.69 U2.30 | length 34.6
  Top Layer w0.2: U2.30@104.354,115.091 106.159,115.091 106.5,114.75 107.925,114.75 108.4,115.225 v1(108.4,115.575) ; v1@119.8,132.1 119.8,133 120.394,133.594 U1.69@120.394,134.867
  Bottom Layer w0.2: v1(108.4,115.575) 108.725,115.9 108.725,125.475 109.17,125.92 109.17,130.77 110.4,132 119.75,132 119.825,132.075 119.8,132.1 v1(119.8,132.2)
MCU_3V3: 3.1 3.2 3.3 3.4 C6.2 C9.2 C14.2 C15.2 C36.2 C37.2 C38.2 C42.2 C49.2 LDO1.8 pad.1@116.9,121.55 R10.1 R17.1 R25.1 R29.1 R30.1 R31.1 R34.2 U1.11 U1.19 U1.21 U1.22 U1.28 U1.50 U1.75 U1.100 U6.2 U6.10 U6.19 U7.2 U7.10 U7.19 | length 82.1
  Top Layer w0.15: R30.1@134.406,129.756 134.925,130.275 136.425,130.275 v17@136.575,130.125
  Top Layer w0.2: C36.2@113.725,120.575 114.15,120.575 114.442,120.867 U1.100@115.394,120.867 ; v1@115.4,135.025 115.4,134.725 115.725,134.4 116.3,134.4 116.767,134.867 U1.75@117.394,134.867 ; C37.2@115.7,117.3 115.7,118.575 115.394,118.881 U1.100@115.394,120.867 ; v1(116.925,121.15) 116.642,120.867 U1.100@115.394,120.867 ; 3.1@117.675,140.425 118.25,140.425 C15.2@119.3,139.375 ; C38.2@122.394,117.394 U1.11@122.394,118.867 v2@122.394,120.1 ; R34.2@126.731,116.354 127.629,116.354 127.894,116.619 U1.22@127.894,118.867 127.894,120.081 127.481,120.081 127.394,119.994 U1.21@127.394,118.867 ; C49.2@127.75,115.35 C49.2@127.8,115.4 ; v1@131.1,135.475 v1@131.2,135.375 ; U1.50@131.2,132.867 U1.50@131.394,132.867 ; U1.28@131.394,121.867 R17.1@133.183,121.867 ; v1@133.085,135.235 133.74,135.235 134.154,134.821 R25.1@134.154,133.494 ; R17.1@133.131,121.804 133.5,121.435 133.5,119.2 C14.2@133.375,119.075 ; R10.1@133.171,129.756 R30.1@134.106,129.756 ; C14.2@133.475,118.975 C14.2@133.5,118.95
  Top Layer w0.25: U1.19@126.394,118.867 126.394,118.002 126.746,117.65 127.75,117.65 127.875,117.775 U1.22@127.875,118.45
  Top Layer w0.254: 3.4@115.8,140.425 115.8,141 115.825,141.025 116.425,141.025 ; 3.3@116.425,140.425 116.425,141.025 ; 3.2@116.925,140.425 116.925,141.025 ; 3.1@117.576,140.425 3.1@117.55,140.425 117.55,141.025 116.925,141.025 ; 116.425,141.025 116.925,141.025
  Top Layer w0.3: C15.2@119.3,139.375 122.525,139.375 122.95,139.8 LDO1.8@122.95,140 ; C6.2@126.675,115.35 C49.2@127.75,115.35 ; C6.2@126.731,115.369 R34.2@126.731,116.354 ; 128,120.15 130.225,120.15 130.5,119.875 v1(130.5,118.2) 132.4,118.2 133.275,119.075 133.375,119.075 C14.2@133.375,119.175
  Top Layer w0.35: R30.1@134.106,129.756 R30.1@134.125,129.775
  Top Layer w0.4: U1.50@131.144,132.956 v1@131.144,135.275
  Bottom Layer w0.2: R29.1@120.721,126.669 R31.1@121.771,126.669 122.456,126.669 122.625,126.5 v1@122.625,125.825 ; U6.2@130.575,125.675 131.014,125.675 131.314,125.975 131.425,125.975 ; U7.2@130.65,119.075 131,119.075 131.478,119.553 131.478,119.747 ; 131.475,119.75 131.478,119.747 ; 132.05,125.9 132.05,124.65 131.478,124.078 U7.10@131.478,123.085 131.478,119.747 ; U7.19@133.978,119.085 133.402,119.085 133.223,119.264 133.223,119.277 132.81,119.69 131.535,119.69 131.478,119.747 ; U6.19@133.978,125.66 133.478,125.66 133.163,125.975 131.425,125.975 ; v17@136.45,130.05 135.55,130.05 135.215,130.385 132.56,130.385 131.835,129.66 U6.10@131.478,129.66 131.478,126.028 131.425,125.975
  Bottom Layer w0.3: v1(130.5,118.2) U7.2@130.5,119.025
  other v1: 122.7,125.825 115.375,134.975 132.86,135.26 131.144,135.375
  other v2: 122.4,120.1
  other v10: 120.575,139.425
  other v17: 136.625,130.1
MPU_CS: CON3.12 U1.17 U9.22 | length 23.9
  Top Layer w0.2: U9.22@124.7,110.375 124.7,111.021 125.225,111.546 v4@125.225,111.7 ; U1.17@125.394,118.867 125.394,120.169 125.725,120.5 v2(125.925,120.5)
  Bottom Layer w0.2: CON3.12@117.55,111.825 117.55,110.75 117.8,110.5 118.7,110.5 119.2,110 119.2,109.6 119.366,109.434 119.988,109.434 120.254,109.7 121.8,109.7 122.7,110.6 124.7,110.6 125.225,111.125 125.225,112.025 124.575,112.675 124.575,115.175 125.5,116.1 125.5,119.975 125.925,120.4 v2(125.925,120.5)
  other v4: 125.275,111.625
MPU_DRDY: CON3.11 U1.62 U9.12 | length 60
  Top Layer w0.2: v2@120.275,129.55 120.8,129.55 123.894,132.644 U1.62@123.894,134.867 ; U9.12@125.9,107.375 126.425,107.375 v4(126.8,107)
  Signal1 w0.2: v6(120.1,123.4) 120.1,121 120.435,120.665 120.435,119.69 120.9,119.225 122.275,119.225 123.071,118.429 123.071,113.447 122.607,112.983 120.982,112.983 119.996,111.996 119.996,110.491 120,110.487 120,110.429 120.266,110.163 120.283,110.146 120.333,110.096 121.709,110.096 122.063,110.45 126,110.45 126.55,109.9 126.55,107.15 126.7,107 v4(126.8,107)
  Bottom Layer w0.2: CON3.11@117.05,111.825 115.275,111.825 114.9,112.2 114.9,114.7 115.5,115.3 115.5,117.9 116.1,118.5 117.396,118.5 117.696,118.8 117.696,119.897 118.258,120.459 118.258,122.958 118.7,123.4 v6(120.1,123.4) 119.4,123.4 119.4,128.65 v2(120.275,129.525)
MPU_EXT_CS: CON3.18 U1.3 | length 8.2
  Top Layer w0.2: U1.3@118.394,118.867 118.394,116.766 118.65,116.51 118.65,114.875 119.754,113.771 120.129,113.771 v5(120.475,113.425)
  Bottom Layer w0.2: v5(120.475,113.425) 120.55,113.35 CON3.18@120.55,111.825
NetC1_1: C1.1 R4.1 R18.2 u8.2 | length 4.6
  Top Layer w0.2: R18.2@106.346,130.831 106.293,130.884 R4.1@106.293,132.14 106.293,133.288 107.333,134.327 u8.2@107.333,134.994
NetC2_1: C2.1 R3.1 R8.2 u8.4 | length 4.6
  Top Layer w0.2: C2.1@107.683,133.134 R3.1@108.677,132.14 ; C2.1@107.708,133.262 107.712,133.262 108.333,133.883 u8.4@108.333,134.994 ; R8.2@108.671,130.831 R3.1@108.671,132.071
NetC33_1: C33.1 R5.1 R6.2 u8.5 | length 6.1
  Top Layer w0.2: 108.832,134.468 108.832,134.443 ; u8.5@108.832,134.994 108.832,134.443 ; R6.2@109.834,132.14 109.954,132.02 R5.1@109.954,130.819 ; R6.2@109.9,132.225 109.9,132.325 C33.1@110.825,133.25 110.825,133.675 110.35,134.15 109.125,134.15 108.832,134.443
NetC35_2: C35.2 U9.10 | length 1.1
  Top Layer w0.154: C35.2@125.1,106.25 U9.10@125.1,107.375
NetC44_1: C44.1 LDO2.3 | length 0.9
  Bottom Layer w0.254: C44.1@131.6,106.85 LDO2.3@131.6,107.775
NetC45_1: C45.1 LDO1.3 | length 0.8
  Top Layer w0.254: LDO1.3@125.1,141.05 C45.1@125.95,141.05
NetC51_1: C51.1 U17.12 | length 1.4
  Top Layer w0.2: U17.12@131.418,110.059 132.216,110.059 132.425,109.85 C51.1@132.425,109.525
NetC51_2: C51.2 U17.8 | length 2.3
  Top Layer w0.254: U17.8@130.685,107.822 132.197,107.822 132.425,108.05 C51.2@132.425,108.475
NetC52_1: C52.1 U17.10 | length 2.1
  Top Layer w0.2: U17.10@131.418,109.047 131.418,109.021 C52.1@133.521,109.021
NetD4_C1: D4.C1 U15.9 | length 1.9
  Top Layer w0.2: U15.9@137.881,129.131 137.881,128.607 138.442,128.046 D4.C1@138.442,127.493
NetD4_C2: D4.C2 U15.8 | length 1.6
  Top Layer w0.2: D4.C2@137.381,127.532 U15.8@137.381,129.131
NetD4_C3: D4.C3 U15.7 | length 1.9
  Top Layer w0.2: D4.C3@136.242,127.493 136.242,128.172 136.881,128.811 U15.7@136.881,129.131
Netd5_2: d5.2 R45.1 | length 1.2
  Bottom Layer w0.2: d5.2@104.033,120.511 R45.1@104.033,121.665
NetLED1_1: LED1.1 R47.1 | length 1.6
  Top Layer w0.2: LED1.1@101.425,145.4 102.225,145.4 102.479,145.146 R47.1@102.479,144.694
NetLED1_2: LED1.2 R48.1 | length 1.3
  Top Layer w0.2: R48.1@101.069,143.496 101.396,143.496 101.55,143.65 LED1.2@101.55,144.4
NetLED1_4: LED1.4 R41.1 | length 1.5
  Top Layer w0.2: R41.1@98.475,145.425 98.567,145.333 LED1.4@99.909,145.333
NetR1_1: R1.1 R3.2 u8.3 | length 4.8
  Top Layer w0.2: R1.1@107.602,130.819 107.602,131.873 107,132.475 107,133.479 107.832,134.311 u8.3@107.832,134.994
NetR2_1: R2.1 R4.2 u8.1 | length 4.9
  Top Layer w0.15: R4.2@105.293,132.168 105.75,132.625 105.75,133.675 106.832,134.757 u8.1@106.832,134.994
  Top Layer w0.2: R2.1@105.247,130.752 R4.2@105.247,132.14 ; R4.2@105.293,132.14 R4.2@105.293,132.168
NetR6_1: R6.1 R19.2 u8.6 | length 6.6
  Top Layer w0.2: u8.6@109.333,134.994 110.956,134.994 111.5,134.45 111.5,132.35 111.29,132.14 110.821,132.14 R19.2@110.821,130.831
NetR9_2: R9.2 U16.7 | length 1.4
  Top Layer w0.254: U16.7@138.102,121.839 R9.2@139.478,121.839
NetR11_2: R11.2 R54.1 R55.2 | length 8.6
  Top Layer w0.2: R54.1@97.329,114.994 97.329,116.036 R11.2@97.294,116.071 97.321,116.071 98.254,117.004 98.254,119.166 98.804,119.716 98.804,120.679 99.121,120.996 R55.2@100.969,120.996
NetR13_2: R13.2 U15.4 | length 3.2
  Top Layer w0.2: U15.4@136.881,131.881 136.881,131.519 137.1,131.3 138.6,131.3 138.9,131 139.2,131 R13.2@139.4,131.2
NetR14_2: R14.2 U15.6 | length 1.6
  Top Layer w0.2: R14.2@135.353,129.846 135.353,129.357 135.579,129.131 U15.6@136.381,129.131
NetR15_1: R15.1 U16.5 U19.5 | length 9
  Top Layer w0.2: U16.5@138.102,120.725 U16.5@138.102,120.839
  Top Layer w0.254: v1(137.125,115.85) 137.344,115.631 R15.1@138.108,115.631 ; R15.1@138.102,115.637 U19.5@138.102,116.838 ; U16.5@138.15,120.725 138.15,119.975 138.45,119.675 v1(138.75,119.675)
  Bottom Layer w0.254: v1(137.125,115.85) 138.25,115.85 138.75,116.35 v1(138.75,119.675)
NetR16_1: R16.1 U19.7 | length 1.3
  Top Layer w0.254: U19.7@138.102,117.838 R16.1@139.429,117.838
NetR46_2: R46.2 U2.38 | length 1.3
  Top Layer w0.2: R46.2@106.604,109.004 U2.38@106.604,110.341
NetR49_2: R49.2 U5.7 | length 1.7
  Bottom Layer w0.4: R49.2@131.425,130.775 131.815,131.165 U5.7@131.815,132.343
OSC_IN: C27.2 U1.12 Y2.3 | length 6.8
  Top Layer w0.254: Y2.3@121.861,113.795 122.373,113.795 122.894,114.316 U1.12@122.894,118.867 ; C27.2@122.301,112.391 Y2.3@122.301,113.355
OSC_OUT: C23.1 U1.13 Y2.1 | length 5.2
  Top Layer w0.254: U1.13@123.394,118.867 123.394,116.162 Y2.1@124.061,115.495 ; Y2.1@124.198,115.358 C23.1@125.722,115.358
OUT1: R52.8 U20.14 | length 3.2
  Top Layer w0.254: R52.8@101.3,126.85 102.125,126.85 102.664,127.389 U20.14@104.301,127.389
OUT2: R52.7 U20.15 | length 3.3
  Top Layer w0.254: R52.7@101.3,126.225 102.161,126.225 102.824,126.889 U20.15@104.301,126.889
OUT3: R52.6 U20.16 | length 3.3
  Top Layer w0.2: R52.6@101.3,125.725 102.199,125.725 102.863,126.389 U20.16@104.301,126.389
OUT4: R52.5 U20.17 | length 3.3
  Top Layer w0.2: R52.5@101.3,125.1 102.15,125.1 102.939,125.889 U20.17@104.301,125.889
OUT5: R51.8 U20.18 | length 3.6
  Top Layer w0.2: R51.8@101.3,124.05 101.725,124.05 103.064,125.389 U20.18@104.301,125.389
OUT6: R51.7 U20.19 | length 3.6
  Top Layer w0.2: R51.7@101.3,123.425 101.749,123.425 103.213,124.889 U20.19@104.301,124.889
OUT7: R51.6 U20.20 | length 3.6
  Top Layer w0.2: R51.6@101.3,122.925 101.749,122.925 103.209,124.385 U20.20@104.301,124.385
OUT8: R51.5 U20.21 | length 3.9
  Top Layer w0.2: R51.5@101.3,122.3 102.091,122.3 102.35,122.559 102.35,123.025 103.202,123.877 U20.21@104.301,123.877
PPM_IN: R53.2 U2.29 | length 5.7
  Top Layer w0.2: v1(103,116.625) 103,115.775 103.184,115.591 U2.29@104.354,115.591
  Bottom Layer w0.2: R53.2@102.106,119.296 102.754,119.296 103,119.05 v1(103,116.625)
PRESSURE_SENS: R43.1 R44.2 U1.34 | length 27.8
  Top Layer w0.2: v1@129.65,124.15 v1(129.65,124.25) 129.65,124.625 129.892,124.867 U1.34@131.394,124.867
  Signal1 w0.254: v1(129.65,124.25) 129.65,127.15 130.016,127.516 132.05,127.516 133.21,128.676 133.21,133.221 134.435,134.446 134.435,135.146 134.954,135.665 136.096,135.665 136.696,135.065 138.571,135.065 140.019,133.617 140.019,132.656 v2(140.175,132.5) ; 133.177,128.649 133.185,128.657
  Bottom Layer w0.2: R44.2@137.106,131.896 138.256,131.896 138.256,132.256 138.5,132.5 v2(140.175,132.5)
PWM_OUT1: IO1.4 pad.7@95.415,114.979 R52.1 | length 15.7
  Top Layer w0.254: pad.7@95.415,114.979 95.415,115.79 96.625,117 96.625,126.1 97.375,126.85 R52.1@100.4,126.85
PWM_OUT2: IO1.5 pad.8 R52.2 | length 14.3
  Top Layer w0.2: v3@97.154,117.121 v3(97.325,116.95)
  Top Layer w0.254: v3@97.154,117.121 97.033,117.242 97.033,125.708 97.55,126.225 R52.2@100.4,126.225
  Bottom Layer w0.2: IO1.5@95.415,116.979 v3@97.296,116.979
PWM_OUT3: IO1.6 pad.9 R52.3 | length 13.4
  Top Layer w0.254: v3(97.75,117.825) 97.5,118.075 97.5,125.25 97.975,125.725 R52.3@100.4,125.725
  Bottom Layer w0.254: IO1.6@95.415,118.979 96.321,118.979 97.475,117.825 v3(97.75,117.825)
PWM_OUT4: IO1.7 pad.10 R52.4 | length 10.9
  Top Layer w0.254: v3(98.3,119.925) 97.943,120.282 97.943,124.793 98.25,125.1 R52.4@100.4,125.1
  Bottom Layer w0.254: IO1.7@95.415,120.979 97.246,120.979 v3(98.3,119.925)
PWM_OUT5: IO1.8 pad.11 R51.1 | length 6.3
  Top Layer w0.254: v3(98.8,124.425) 99.175,124.05 R51.1@100.4,124.05
  Bottom Layer w0.254: IO1.8@95.415,122.979 97.079,122.979 97.35,123.25 97.35,124.15 97.625,124.425 v3(98.8,124.425)
PWM_OUT6: IO1.9 pad.12 R51.2 | length 8.1
  Top Layer w0.2: v3(98.875,123.525) v3@98.975,123.425
  Top Layer w0.254: v3@98.975,123.425 R51.2@100.4,123.425
  Bottom Layer w0.2: IO1.9@95.415,124.979 95.879,124.979 96.175,125.275 99.225,125.275 99.6,124.9 99.6,123.825 99.3,123.525 v3(98.875,123.525) ; IO1.9@95.7,124.9 IO1.9@95.775,124.975
PWM_OUT7: IO1.10 pad.13 R51.3 | length 11
  Top Layer w0.254: v3(98.6,122.6) 99,122.6 99.325,122.925 R51.3@100.4,122.925
  Bottom Layer w0.2: IO1.10@95.415,126.979 96.546,126.979 96.775,126.75 96.775,126.225 97.225,125.775 99.226,125.775 99.954,125.047 99.954,123.329 99.225,122.6 v3(98.6,122.6)
PWM_OUT8: IO1.11 pad.14 R51.4 | length 13.5
  Top Layer w0.254: v3(99,121.8) 99.2,121.8 99.7,122.3 R51.4@100.4,122.3
  Bottom Layer w0.2: IO1.11@95.486,129.05 IO1.11@95.415,128.979 96.596,128.979 97.129,128.446 97.129,126.446 97.446,126.129 99.471,126.129 100.308,125.292 100.308,122.808 99.3,121.8 v3(99,121.8)
RC_IN: ESD2.1 R50.2 R53.1 U4.2 | length 5.3
  Top Layer w0.2: v1@101.175,118.15 v1(101.207,118.182) U4.2@101.207,119.601
  Bottom Layer w0.2: R50.2@99.829,118.85 99.829,119.771 ESD2.1@99.8,119.8 100.825,119.8 101.05,119.575 R53.1@101.05,119.1 ; v1@101.106,118.283 R53.1@101.106,119.296
RC_IN_PORT: IO1.2 pad.5@95.415,110.979 R50.1 | length 10.4
  Bottom Layer w0.254: IO1.2@95.415,110.979 97.054,110.979 97.475,111.4 97.475,115.325 98.025,115.875 99.3,115.875 99.829,116.404 R50.1@99.829,117.85
RSSI_IN: C61.2 R55.1 U2.15 U2.33 | length 24
  Top Layer w0.2: U2.33@104.354,113.591 105.856,113.591 106.165,113.9 107.15,113.9 107.6,113.45 108.65,113.45 109.2,114 109.2,116 110.604,117.404 U2.15@110.604,119.341
  Top Layer w0.254: R55.1@101.969,120.996 102.304,120.996 103.075,120.225 103.075,119.225 ; v1(102.387,118.537) 103.075,119.225 ; C61.2@103.825,119.375 103.675,119.225 103.075,119.225
  Bottom Layer w0.2: v1(102.387,118.537) 102.387,116.187 102.81,115.765 103.401,115.765 103.89,115.276 103.89,114.535 104.125,114.3 106.4,114.3 v1@107.05,113.65
  other v1: 107.125,113.725
RSSI_IN_PROT: IO1.3 pad.7@95.415,112.979 R54.2 | length 2.7
  Top Layer w0.2: pad.7@95.415,112.979 96.979,112.979 97.329,113.329 R54.2@97.329,113.994
SAFE_LED: IO2.2 U2.26 | length 48.7
  Top Layer w0.2: U2.26@104.354,117.091 104.363,117.1 106.7,117.1 106.8,117 v1(107.1,117) ; v6(141.5,108.625) 141.5,109.1 141.872,109.472 IO2.2@142.767,109.472
  Signal1 w0.2: v4(120.82,108.57) 123.254,108.57 124.103,107.721 125.353,107.721 125.821,107.253 125.821,106.73 126.472,106.079 130.078,106.079 132.928,108.929 141.196,108.929 v6(141.5,108.625)
  Bottom Layer w0.2: v1@107.05,117.05 107.05,114.7 107.675,114.075 107.675,113.175 108.275,112.575 108.275,109.975 109.68,108.57 v4(120.82,108.57)
SAFETY: IO2.1 R42.2 U2.41 | length 40.2
  Top Layer w0.2: U2.41@108.104,110.341 108.104,109.246 v1(108.275,109.075) ; v6(140.8,107.1) 142.595,107.1 IO2.1@142.767,107.272
  Signal1 w0.2: v4@120.725,107.975 121.134,107.975 121.375,108.216 123.108,108.216 123.957,107.367 125.207,107.367 125.467,107.107 125.467,106.583 126.325,105.725 130.225,105.725 133.075,108.575 140.425,108.575 140.8,108.2 v6(140.8,107.1)
  Bottom Layer w0.2: v1@108.271,109.071 v1(108.275,109.075) 109.15,108.2 120.5,108.2 v4@120.725,107.975
  other v4: 120.725,107.95
SBUS_INPUT: U2.22 U4.6 | length 13.1
  Top Layer w0.2: U4.6@100.557,116.051 100.557,115.332 100.25,115.025 99.375,115.025 99.25,115.15 99.25,116.625 99.829,117.204 101.468,117.204 102.189,117.925 103.041,117.925 103.516,118.4 106.9,118.4 107.104,118.604 U2.22@107.104,119.341
SBUS_OUTPUT: U2.21 U4.5 | length 9.8
  Top Layer w0.2: U4.5@99.907,116.051 99.907,116.657 100.1,116.85 101.615,116.85 102.325,117.56 103.192,117.56 103.678,118.046 107.047,118.046 107.604,118.603 U2.21@107.604,119.341
SBUS_OUTPUT_EN: U2.40 U4.7 | length 13.2
  Top Layer w0.2: v1(100.95,114.725) 101.207,114.982 U4.7@101.207,116.051 ; U2.40@107.604,110.341 107.604,111.029 107.925,111.35 107.925,112.125 v1(107.7,112.35)
  Bottom Layer w0.2: v1(100.95,114.725) 100.95,115.075 101.275,115.4 103.25,115.4 103.525,115.125 103.525,114.25 103.9,113.875 106.075,113.875 106.496,113.454 106.496,112.529 106.675,112.35 v1(107.7,112.35)
SBUS_OUTPUT_PROT: R11.1 U4.3 | length 5.1
  Top Layer w0.2: R11.1@98.294,116.071 98.671,116.071 98.896,116.296 98.896,116.772 99.682,117.558 100.383,117.558 100.557,117.732 U4.3@100.557,119.601
SDIO_CK: CON2.5 U1.80 | length 15.6
  Top Layer w0.2: U1.80@115.394,130.867 114.351,130.867 113.37,131.848 113.37,135.927 114.598,137.155 115.605,137.155 115.825,137.375 v1(115.825,138.075)
  Bottom Layer w0.2: v1(115.825,138.075) 115.825,138.575 116.025,138.775 118.325,138.775 119.275,139.725 CON2.5@119.275,140.649
SDIO_CMD: 3.5 CON2.3 U1.83 | length 22.2
  Top Layer w0.2: U1.83@115.394,129.367 114.283,129.367 113.6,130.05 113.6,131.05 113.005,131.645 113.005,136.079 114.446,137.52 114.895,137.52 v1(115.075,137.7) 115.075,138.325 115.65,138.9 3.5@115.65,139.3
  Bottom Layer w0.2: v1(115.075,137.7) 115.425,137.35 116.25,137.35 116.5,137.6 116.5,138.125 116.75,138.375 118.685,138.375 119.06,138.75 121.2,138.75 121.575,139.125 121.575,140.549 CON2.3@121.475,140.649
SDIO_D0: CON2.7 U1.65 | length 17.7
  Top Layer w0.2: U1.65@122.394,134.867 122.394,136.544 v1(122.75,136.9) v1@122.75,137.05
  Bottom Layer w0.2: CON2.7@117.075,140.649 117.075,139.425 116.79,139.14 115.44,139.14 114.475,138.175 114.475,136.525 114.75,136.25 117.484,136.25 118.249,137.015 118.874,137.015 119.479,137.62 122.18,137.62 122.75,137.05 v1(122.75,136.9)
SDIO_D1: CON2.8 U1.66 | length 15.6
  Top Layer w0.2: v1(121.675,136.5) 121.894,136.281 U1.66@121.894,134.867
  Bottom Layer w0.2: CON2.8@115.975,140.649 115.975,140.191 114.11,138.326 114.11,136.374 114.599,135.885 117.635,135.885 118.4,136.65 119.025,136.65 119.63,137.255 121.29,137.255 121.675,136.87 v1(121.675,136.5)